# Allegro board pc051c_toplevel_209edited.brd (continued)
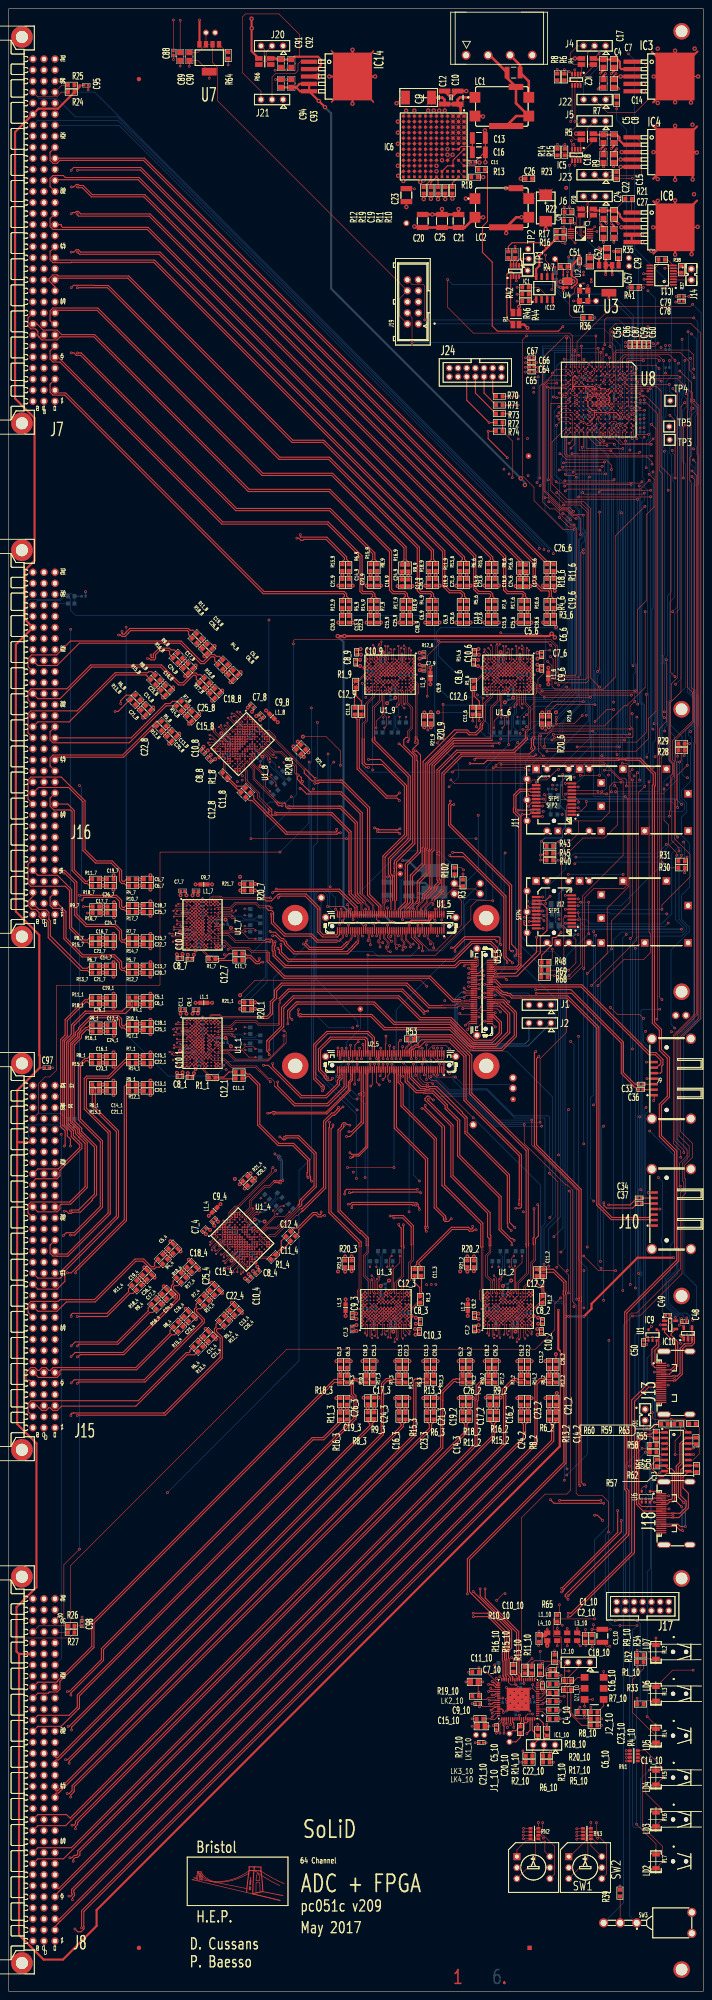
[diagram p0: board, top side]
## Routing (per net, layer and track width the routed paths; a pad name or vN(x,y) marks a point on that pad's centre or on a via; arc(x,y) is an arc through that point) (continued)
EXTERNAL_SCL<3>: length 375.7
  TOP w0.13: v1(142.09,356.7) 142.09,358.44 U8.B16 ; v1(127.14,159.55) 125.8,158.22 125.8,152.22 121.33,147.75 64.05,147.75 14.29,98 14.29,83.19 R27.1 10.82,82.55 J8.C29
  L4 w0.13: v1(142.25,243.2) 144.25,245.2 144.25,279.45 v1(144.05,279.65) ; v1(127.14,159.55) 127.14,160.28 128.1,161.25 v1(141.45,161.25)
  BOTTOM w0.13: v1(142.25,243.2) 141.45,242.4 v1(141.45,161.25) ; v1(144.05,279.65) 142.95,280.75 142.95,288.47 142.09,289.33 v1(142.09,356.7)
EXTERNAL_SDA<0>: length 304.3
  TOP w0.13: J7.A29 6.67,435.93 11.12,435.93 12.19,437 R24.1 ; v1(147.4,358.25) 144.82,358.25 144.58,358.49 144.58,361.87 143.9,362.55 143.6,362.55 U8.A12
  L3 w0.15: v1(146.85,350.58) 146.72,350.58 146.44,350.86 137.45,350.86 136.91,351.41 136.43,351.41 136.39,351.36 133.91,351.36 131.59,349.04 129.79,349.04 129.03,349.8 128,349.8 127.55,349.35 120.55,349.35 119.9,350 116.1,350 v1(115.25,349.15)
  L4 w0.13: 125.59,329.81 124.35,331.05 v1(124.35,331.4)
  L4 w0.15: 125.59,329.81 127.05,328.35 127.05,303.8 127.06,303.79 127.06,303.6 127.12,303.54 127.12,303.48 127.43,303.17 127.48,303.17 127.5,303.15 128.8,303.15 128.99,303.34 128.99,329.39 128.86,329.52 128.86,329.57 128.86,331.29 128.86,331.96 128.86,333.16 128.99,333.29 128.99,334.13 116.94,346.18 116.94,346.46 115.25,348.15 v1(115.25,349.15)
  BOTTOM w0.13: v1(124.35,331.4) 124.35,332 25.05,431.3 15.4,431.3 11.1,435.6 6.99,435.6 J7.A29
  BOTTOM w0.15: v1(146.85,350.58) 146.85,350.71 146.95,350.81 146.95,356.8 147.4,357.25 v1(147.4,358.25)
EXTERNAL_SDA<1>: length 254.7
  TOP w0.13: v1(143.85,360.2) 143.85,360.3 U8.A14 ; v1(125.13,287.93) v1(141.88,287.93)
  L4 w0.13: v1(143.85,360.2) 143.95,360.3 146.56,360.3 146.85,360.01 146.85,360 149.15,357.7 149.15,355.7 150.5,354.35 v1(151.02,354.35) ; v1(141.88,287.93) 150.15,287.93 151.82,289.6 151.82,293.6 v1(151.02,294.4)
  BOTTOM w0.13: v1(151.02,294.4) 151.02,305.47 150.76,305.72 150.76,307.21 151.02,307.47 v1(151.02,354.35) ; v1(125.13,287.93) 115.88,287.93 115.64,287.7 100.34,287.7 98.16,289.88 98.16,314.81 96.35,316.61 15.39,316.61 14.29,317.71 14.29,320.36 R51.1 12.9,321 11.88,319.98 6.67,319.98 J16.A29
EXTERNAL_SDA<2>: length 296.6
  TOP w0.13: v1(144.2,296.8) 143.11,295.71 143.11,291.16 143.8,290.47 143.8,288.7 143.58,288.48 v1(125.69,288.48) ; U8.A16 143.4,357.55 v1(143.65,357.3) ; J15.A29 6.92,202.13 6.92,208.92 8.4,210.4 9.46,210.4 11,211.94 11,231.36 11.13,231.49 34.72,231.49 34.85,231.62 34.85,262 34.98,262.13 v1(62.49,262.13)
  L4 w0.13: v1(69.21,282.87) 73.18,282.87 74.78,284.46 116.46,284.46 120.05,288.06 123.65,288.06 124.07,288.48 v1(125.69,288.48)
  BOTTOM w0.13: v1(69.21,282.87) 69.14,282.8 69.14,268.78 v1(62.49,262.13) ; v1(144.2,296.8) 144.2,298.7 143.85,299.05 143.85,302.93 144.29,303.38 144.29,305.2 143.89,305.61 143.89,357.06 v1(143.65,357.3) ; J15.A29 6.79,202 12.1,202 13.4,200.7 R49.1
EXTERNAL_SDA<3>: length 406.3
  TOP w0.13: 12.71,84.1 6.99,84.1 J8.A29 ; 12.71,84.1 12.71,98.15 v1(16.3,101.74) ; 12.71,84.1 R26.1 ; v1(125.49,289.22) 142.97,289.22 v1(143.05,289.3) ; U8.C16 v1(141.4,357.55)
  L4 w0.13: v1(113.34,288.19) 73.46,288.19 66.57,281.3 63.75,281.3 59.9,277.44 v1(16.3,277.44)
  BOTTOM w0.13: v1(16.3,277.44) 16.8,276.95 16.8,251.99 16.3,251.5 v1(16.3,101.74) ; v1(125.49,289.22) 124.46,288.19 v1(113.34,288.19) ; v1(143.05,289.3) 142.6,289.74 142.6,357.42 142.47,357.55 v1(141.4,357.55)
FPGA_JTAG_VREF: length 11.5
  TOP w0.18: v1(77.75,217.03) U2_5.92
  BOTTOM w0.15: v1(77.75,217.03) 77.75,218.25 81,221.5 LK22.1
FPGA_LED: length 227.9
  TOP w0.13: v1(118.75,199.45) 118.75,195.1 128.32,185.53 128.72,185.53 129.85,184.4 129.85,158.75 130.7,157.9 130.7,114.6 131.25,114.05 136.75,114.05 138.15,112.65 v1(138.15,105.7) ; U2_5.23 94.75,210.15 95.75,209.15 97.35,209.15 v1(97.7,208.8) ; v1(147.55,50.9) 148.98,50.9 LD4.1 ; v1(140.8,84.15) v1(144.75,84.15)
  BOTTOM w0.13: v1(118.75,199.45) 112.55,199.45 105.75,206.25 100.25,206.25 v1(97.7,208.8) ; v1(144.75,84.15) 143.75,83.15 143.75,38.1 144.15,37.7 145.6,37.7 145.6,48.95 v1(147.55,50.9) ; v1(138.15,105.7) 137.4,104.95 137.4,85.85 139.1,84.15 v1(140.8,84.15)
FPGA_POWER_ENABLE: length 343.6
  TOP w0.13: U8.B3 142.97,372.32 v1(144.12,372.32) ; LK3.1 104.31,250.89 104.31,245.37 98.54,239.6 96.8,239.6 93.75,242.66 U1_5.27 ; v1(129.85,372.3) 129.85,380.93 129.23,381.55 107.05,381.55 101.1,387.5 v1(101.1,393.85) ; v1(135.04,292.19) 137.78,294.93 v1(139.33,294.93)
  L4 w0.13: v1(101.1,393.85) 97.9,393.85 63.2,428.55 J21.1 ; v1(108.15,270.59) 117.14,270.59 118.62,272.07 124.87,272.07 v1(128.27,275.46) ; v1(133.85,362.3) 134.85,362.3 135.66,361.49 135.66,358.79 134.56,357.69 134.56,295.72 135.35,294.93 v1(139.33,294.93)
  BOTTOM w0.13: LK3.1 108.15,258.05 v1(108.15,270.59) ; v1(129.85,372.3) 129.85,369.7 130.36,369.19 130.36,365.03 132.65,362.74 133.41,362.74 v1(133.85,362.3) ; v1(144.12,372.32) 143.86,372.58 143.86,382.08 143.8,382.14 143.8,382.56 143.86,382.62 143.86,385.62 138.94,390.54 127.49,390.54 125.28,392.75 102.2,392.75 v1(101.1,393.85) ; v1(135.04,292.19) 135.04,289.65 134.3,288.91 134.3,284.2 132.6,282.5 132.6,279.8 v1(128.27,275.46)
FPGA_TDI: length 211
  TOP w0.13: R63.2 155.7,131.65 v1(152.6,131.65) 152.55,131.6 148.7,131.6 148.25,132.05 v1(148.25,133.15) ; U2_5.96 v1(76.75,216.98)
  L4 w0.13: v1(80.26,205.31) 83.61,201.95 145.35,201.95 v1(146.8,203.4)
  BOTTOM w0.13: v1(76.75,216.98) 77.75,215.99 77.75,213.26 75.25,210.76 75.25,209.42 79.36,205.31 v1(80.26,205.31) ; v1(148.25,133.15) 148.25,136.2 146.2,138.25 146.2,183.59 146.36,183.75 146.36,202.96 v1(146.8,203.4) ; v1(152.6,131.65) 152.6,127.55 150.38,125.33 150.38,119.09 148.2,116.92 148.2,112.75 148.05,112.6 J17.10
FPGA_TDO: length 254.4
  TOP w0.13: v1(76.33,214.62) 76.33,215.72 U2_5.98 ; v1(115.99,348.29) 115.99,356.76 R74.1
  TOP w0.25: R72.1 R74.1
  L3 w0.13: v1(115.99,348.29) 117.17,349.47 119.82,349.47 120.49,348.8 127.55,348.8 128.56,347.79 131.48,347.79 133.03,349.34 136.19,349.34 136.67,349.82 138.04,349.82 138.24,349.62 v1(148.42,349.62)
  L4 w0.13: v1(148.4,281.64) 148.4,226.03 150.1,224.33 150.1,223.32 149.53,222.75 146.65,222.75 141.3,217.4 101.2,217.4 100.23,216.43 78.15,216.43 v1(76.33,214.62)
  BOTTOM w0.13: v1(148.4,281.64) 148.4,287.28 149.04,287.93 149.04,291.35 149.16,291.46 149.16,291.88 148.94,292.09 148.94,349.1 v1(148.42,349.62)
GPIO<0>: length 301.3
  TOP w0.13: U8.E14 138.9,360.25 v1(138.9,359.21)
  L4 w0.13: v1(131.85,368.2) 129.27,370.78 124.58,370.78 ; v1(138.9,359.21) v1(141.9,359.21) ; v1(123.3,331.75) 123.3,331.6 126.77,328.13 126.77,311.94 126.78,311.93 126.78,303.68 126.78,303.67 126.78,303.49
  L4 w0.15: 116.5,367.45 116.5,347.3 117.22,346.58 117.22,346.3 129.27,334.25 129.27,333.17 129.14,333.05 129.14,332.07 129.14,331.29 129.14,329.73 129.14,329.64 129.27,329.51 129.27,303.17 128.9,302.8 127.35,302.8 126.85,303.3 126.85,303.36 126.84,303.37 126.84,303.43 126.78,303.49
  L4 w0.25: 124.58,370.78 123.39,369.59 118.64,369.59 116.5,367.45
  BOTTOM w0.13: v1(141.9,359.21) 140.32,359.21 136.9,362.62 136.9,363.25 136.4,363.75 136.4,365.25 136.4,365.25 136.4,365.46 136.11,365.75 135.12,365.75 ; v1(123.3,331.75) 123.3,332.35 25.2,430.45 6.67,430.45 J7.A26
  BOTTOM w0.15: v1(131.85,368.2) 131.85,365.8 132.4,365.25 134.18,365.25 134.69,365.76 135.11,365.76 135.12,365.75
GPIO<1>: length 214.8
  TOP w0.13: v1(146.55,341.7) 139.7,334.85 139.7,302.35 136.97,299.62 125.81,299.62 125.14,300.29 125.14,304.98 v1(124.17,305.96) ; v1(139.95,360.27) 139.95,361.12 139.82,361.25 138.9,361.25 U8.F14
  L4 w0.13: v1(146.55,341.7) 146.9,342.05 146.9,344.96 146.35,345.5 146.35,356.36 142.96,359.75 140.47,359.75 v1(139.95,360.27) ; v1(113.35,312.6) 113.34,312.59 26.5,312.59 26.31,312.41 25.9,312.41 25.72,312.59 6.9,312.59 J16.A26
  BOTTOM w0.13: v1(124.17,305.96) 123.7,306.42 123.7,311.22 122.57,312.36 113.59,312.36 v1(113.35,312.6)
GPIO<2>: length 310.9
  TOP w0.13: U8.G14 136.9,360.25 v1(136.85,360.25) ; v1(132.46,235.29) 132.65,235.48 132.65,251.64 134.77,253.75 141.7,253.75 142.35,254.4 142.5,254.4 142.6,254.5 142.6,274.35 v1(142.02,274.92)
  L4 w0.13: v1(132.46,195) 11.61,195 10.86,194.25 6.67,194.25 J15.A26
  BOTTOM w0.13: v1(136.85,360.25) 135.97,359.36 135.97,358.28 135.44,357.76 135.44,304.72 136.21,303.96 136.21,303.34 135.6,302.73 135.6,289.84 134.75,288.99 134.75,275.05 134.88,274.92 v1(142.02,274.92) ; v1(132.46,235.29) v1(132.46,195)
GPIO<3>: length 377.9
  TOP w0.13: v1(135.85,362.2) 135.85,361.3 U8.H14 ; v1(126.64,281.14) 126.34,281.14 125.17,279.97 125.17,279.97 124.56,279.36 124.56,279.36 123.95,278.75 120.7,278.75 119.83,277.88 102.72,277.88 v1(101.85,278.75)
  L4 w0.13: J8.A26 6.67,76.16 13.46,76.16 20.95,83.65 20.95,99.15 v1(36.55,114.75) ; v1(101.85,278.75) 99.77,276.66 v1(70.2,276.66)
  BOTTOM w0.13: v1(36.55,114.75) 66.87,145.07 66.87,188.87 69.8,191.8 69.8,276.26 v1(70.2,276.66) ; v1(135.85,362.2) 135.4,361.75 135.4,358.87 134.73,358.2 134.73,297.63 133.79,296.69 133.79,288.29 v1(126.64,281.14)
GPIO<4>: length 303.9
  TOP w0.13: v1(144.1,364.25) 143.3,364.25 142.8,364.75 142.8,366.35 U8.B8
  TOP w0.15: v1(153.5,348.21) 153.5,361.45 v1(152.3,362.65)
  L3 w0.15: v1(119.65,348.75) 120.71,347.69 122.56,347.69 123.33,348.46 124.99,348.46 125.31,348.14 126.76,348.14 127.86,347.04 135.58,347.04 136.9,348.36 153.35,348.36 v1(153.5,348.21)
  L4 w0.13: 123.01,331.24 v1(122.25,332)
  L4 w0.15: v1(144.1,364.25) 145.7,362.65 v1(152.3,362.65) ; 123.01,331.24 126.5,327.75 126.5,315.8 125.35,314.65 125.35,313.35 126.5,312.2 126.5,311.83 126.51,311.82 126.51,311.23 126.5,311.22 126.5,303.37 126.55,303.32 126.55,303.2 127.4,302.35 128.95,302.35 129.55,302.95 129.55,329.62 129.42,329.75 129.42,332.19 129.42,332.93 129.55,333.06 129.55,334.36 117.5,346.41 117.5,346.7 117.2,347 117.2,348.35 117.66,348.81 118.24,348.81 118.3,348.75 v1(119.65,348.75)
  BOTTOM w0.13: J7.C26 25.42,429.38 122.25,332.55 v1(122.25,332)
GPIO<5>: length 218.4
  TOP w0.13: v1(122.4,300.47) 122.4,298.96 122.6,298.76 144.64,298.76 144.84,298.96 144.84,317.95 146.85,319.96 146.85,339.75 148.66,341.56 148.66,347.94 v1(147.51,349.08) ; U8.F15 138,359.35 138,357.41 138.2,357.21 139.68,357.21 140.95,355.94 147.98,355.94 v1(148.01,355.97)
  L4 w0.13: v1(148.01,355.97) 147.51,355.48 v1(147.51,349.08) ; J16.C26 10.95,311 44.55,311 44.8,311.25 45.29,311.25 45.55,311 98.66,311 98.79,311.14 99.21,311.14 99.34,311 120.85,311 122.45,309.4 122.45,300.52 v1(122.4,300.47)
GPIO<6>: length 298.2
  TOP w0.13: v1(126.35,232.4) 126.35,233.3 127.88,234.83 127.88,244.47 127.31,245.04 127.31,260.41 132.27,265.38 137.23,265.38 140.28,268.42 140.28,276.75 v1(139.57,277.46) ; U8.H15 135.99,359.34 135.99,357.16 136.89,356.25 139.2,356.25 v1(139.5,355.95)
  L4 w0.13: v1(126.64,192.45) 125.2,193.9 11.39,193.9 J15.C26
  BOTTOM w0.13: v1(126.35,232.4) 126.35,232 126.64,231.71 v1(126.64,192.45) ; v1(139.57,277.46) 139.57,283.02 140.8,284.25 140.8,285.5 140.17,286.13 140.17,286.54 140.5,286.88 140.5,339.8 140.4,339.9 140.4,340.53 140.65,340.77 140.65,354.66 139.5,355.8 v1(139.5,355.95)
GPIO<7>: length 459
  TOP w0.13: U8.B10 141.95,364.3 v1(140.95,364.3)
  L4 w0.13: v1(157.61,364.26) 157.02,364.85 143.33,364.85 v1(140.95,367.23) ; v1(153.4,221.65) 153.65,221.4 153.65,202 148.85,197.2 v1(12.1,197.2)
  BOTTOM w0.13: v1(140.95,364.3) v1(140.95,367.23) ; v1(153.4,221.65) 152.56,222.49 152.56,239.61 156.75,243.8 156.75,244.9 154.95,246.7 154.95,252.2 156.8,254.05 156.8,264.15 155,265.95 155,270.2 156.2,271.4 156.2,273.45 155,274.65 155,276.35 157.05,278.4 157.05,285.7 157.3,285.95 157.3,288.35 156.55,289.1 156.55,290.15 157.39,290.99 157.39,291.24 157.91,291.76 157.91,297.71 157.39,298.23 157.39,298.41 156.76,299.04 156.76,363.41 v1(157.61,364.26) ; v1(12.1,197.2) 12.1,76.51 J8.C26
GPIO<8>: length 27.3
  TOP w0.15: v1(139.9,358.05) 139.9,359.15 139.4,359.65 U8.E15
  L3 w0.15: LK23.1 139.57,353.27 140.7,354.4 140.7,356.1 139.9,356.9 v1(139.9,358.05)
HDMI_PGOOD: length 310.5
  TOP w0.13: v1(140.9,368.25) U8.C7 ; 156.5,124.78 157.5,124.78 v1(157.73,125.02) ; v1(157.8,385.05) 137.69,385.05 137.3,384.67 v1(137.3,378.86)
  L3 w0.13: v1(137.3,378.86) 139.75,376.41 139.75,369.4 v1(140.9,368.25)
  L4 w0.13: v1(154.75,149.1) 155.02,149.1 155.15,148.97 155.15,130.4 156.15,129.4 156.15,126.6 v1(157.73,125.02)
  BOTTOM w0.13: v1(157.8,385.05) 158.74,384.11 158.74,353.76 158.97,353.53 158.97,346.8 158.74,346.57 158.74,298.34 158.94,298.14 158.94,291.33 158.74,291.13 158.74,223.54 154.15,218.95 154.15,165.1 152,162.95 152,158.4 154.35,156.05 156.2,156.05 156.9,155.35 156.9,149.7 156.3,149.1 v1(154.75,149.1)
HDMI_PGOOD_N: length 30.6
  TOP w0.25: J18.16 153.75,107 154.65,106.1 155.15,106.1 v1(155.25,106) ; R58.1 158.22,127.33 IC13.15 156,127.33 155.26,126.59 155.17,126.59 154.6,126.02 154.6,121.7 153.75,120.85 153.75,113.49 153.8,113.44 153.8,112.7 v1(155,111.5)
  BOTTOM w0.25: v1(155.25,106) 155.1,106.15 155.1,111.4 v1(155,111.5)
HDMI_PGOOD_P: length 29
  TOP w0.25: R58.2 158.15,126.06 IC13.14 155.34,126.06 155.1,125.81 155.1,121.45 154.25,120.6 154.25,113.7 v1(155.45,112.5) ; J18.15 154.15,107.5 154.7,106.95 v1(155.85,106.95)
  BOTTOM w0.25: v1(155.45,112.5) 155.85,112.1 v1(155.85,106.95)
HDMI_TCK_N: length 14.8
  TOP w0.25: J18.6 150.42,112.11 151.74,112.11 152.28,112.65 153.1,112.65 153.35,112.9 153.35,119.57 152.66,120.26 151.82,120.26 IC13.7 149.43,120.97 R56.1
HDMI_TCK_P: length 18.7
  TOP w0.25: J18.4 150.46,113 150.56,112.89 151.82,112.89 152.08,113.15 152.65,113.15 152.85,113.35 152.85,118.95 152.65,119.15 151.5,119.15 150.78,118.43 149.97,118.43 148.08,120.32 148.08,121.13 R56.2 149.41,122.25 IC13.6
HDMI_TDI_N: length 18.7
  TOP w0.25: J18.12 152.71,109 152.77,108.94 153.23,108.94 153.29,109 154.35,109 156.55,111.2 156.55,114.6 155.31,115.83 155.31,118.32 156.5,119.51 156.5,119.7 156.71,119.5 R57.1
HDMI_TDI_P: length 19.5
  TOP w0.25: J18.10 152.71,110 152.77,110.06 153.23,110.06 153.29,110 154.64,110 156.05,111.41 156.05,112.8 154.81,114.03 154.81,120.02 155.77,120.97 IC13.10 156.53,121 R57.2
HDMI_TDO_N: length 3
  TOP w0.25: J18.3 148.64,113.5 U6.3
HDMI_TDO_P: length 2.8
  TOP w0.25: U6.4 149.38,115.04 149.92,114.5 J18.1
HDMI_TMS_N: length 28.3
  TOP w0.25: IC13.1 149.25,128.59 R55.1 148.47,128.7 147.97,128.2 146.18,128.2 144.63,126.65 144.63,126.15 144.58,126.1 144.58,124.4 144.63,124.35 144.63,112.02 146.15,110.5 J18.9
HDMI_TMS_P: length 26.5
  TOP w0.25: J18.7 150.26,111.55 145.81,111.55 145.13,112.22 145.13,124.56 145.08,124.61 145.08,125.89 145.13,125.94 145.13,126.44 146.39,127.7 147.97,127.7 148.47,127.2 R55.2 149.28,127.33 IC13.2
I2C_SCL_FROM_FPGA: length 216.6
  TOP w0.13: U2_5.18 v1(96.25,217.79) ; v1(149.31,223.68) 149.46,223.84 149.46,228.83 149.44,228.85 149.44,291.19 149.46,291.21 149.46,362.94 146.75,365.65 v1(144.3,365.65) 143.5,365.65 U8.A9
  L3 w0.13: TP3.1 150.9,358.35 150.9,360.05 145.95,365 145.25,365 144.6,365.65 v1(144.3,365.65)
  L4 w0.13: v1(96.25,217.79) 141.29,217.79 147.18,223.68 v1(149.31,223.68)
I2C_SDA_FROM_FPGA: length 228.1
  TOP w0.13: v1(155.7,365.55) 154.85,364.7 154.85,298.97 152.4,296.52 152.4,283.34 153.12,282.62 153.12,279.63 152.75,279.26 152.75,264.75 154.4,263.1 v1(154.4,262.4) ; U2_5.16 96.75,216.7 97.64,217.6 100.79,217.6 v1(101.55,216.84) ; v1(145.4,367.61) 145.26,367.75 U8.A7
  L3 w0.13: TP4.1 155.25,366 v1(155.7,365.55)
  L4 w0.13: v1(155.7,365.55) 153.64,367.61 v1(145.4,367.61) ; v1(101.55,216.84) v1(143.68,216.84)
  BOTTOM w0.13: v1(154.4,262.4) 154.4,246.65 156.1,244.95 156.1,243.9 155,242.8 145.05,242.8 143.68,241.43 v1(143.68,216.84)
I2C_SDA_TO_FPGA: length 181.7
  TOP w0.13: v1(151.05,293.05) 150.52,293.58 150.52,349.28 149.82,349.98 149.82,364.03 146.75,367.1 v1(146.1,367.1) 145.55,367.1 145.2,366.75 U8.A8 ; U1_5.88 v1(78.75,248.98)
  L3 w0.13: TP5.1 151.45,360.75 151.45,363.55 147.9,367.1 v1(146.1,367.1)
  L4 w0.13: v1(78.75,248.98) 101.06,271.29 114.31,271.29 119.53,276.51 121.71,276.51 124.56,279.36 124.56,279.36 125.17,279.97 126.22,279.97 138.42,292.17 150.17,292.17 v1(151.05,293.05)
IP_ADDRESS_SELECT<0>: length 251.1
  TOP w0.13: U2_5.14 v1(97.25,214.15) ; v1(134.1,38.85) RN3.8 133.46,37.5 132.94,36.99 132.94,34.72 129.22,31 SW2.1
  L4 w0.13: v1(134.1,38.85) 129.85,43.1 106.3,43.1 99.85,49.55 99.85,91.45 v1(128.6,120.2)
  BOTTOM w0.13: v1(128.6,120.2) 128.45,120.35 128.45,157.95 127.7,158.7 125.82,158.7 122.82,161.7 122.82,175.9 123.52,176.6 123.52,200.9 123.47,200.95 116.55,200.95 110.1,207.4 101.51,207.4 97.25,211.66 v1(97.25,214.15)
IP_ADDRESS_SELECT<1>: length 339
  TOP w0.13: SW2.2 137.75,27.05 137.75,33.8 134.9,36.65 134.15,36.65 RN3.7 135.05,36.7 135.35,37 v1(135.35,38.8)
  TOP w0.18: v1(73.45,249.6) 77.1,249.6 77.75,248.95 U1_5.92
  L4 w0.13: v1(80.3,222.1) 102.4,222.1 105.6,218.9 122.2,218.9 123.05,219.75 v1(131.25,219.75) ; v1(135.35,38.8) 130.55,43.6 106.8,43.6 100.4,50 100.4,91.25 127.95,118.8 v1(128.55,118.8)
  BOTTOM w0.13: v1(80.3,222.1) 80.3,223.35 70.8,232.85 70.8,252.45 71.4,253.05 72.55,253.05 73.45,252.15 v1(73.45,249.6) ; v1(131.25,219.75) 131.25,168.3 133.25,166.3 133.25,123.5 v1(128.55,118.8)
IP_ADDRESS_SELECT<2>: length 246.4
  TOP w0.13: v1(107,201) 98.42,209.58 97.35,209.58 96.75,210.18 U2_5.15 ; v1(135.65,35.2) 134.95,35.9 RN3.6 133.54,35.9 133.41,35.77 133.41,30.33 SW2.4
  L4 w0.13: v1(128,117.6) 127.55,117.6 101.05,91.1 101.05,50 106.7,44.35 131.35,44.35 136.3,39.4 136.3,35.85 v1(135.65,35.2)
  BOTTOM w0.13: v1(107,201) 122.45,185.55 122.45,161.7 125.8,158.35 127.4,158.35 128,157.75 v1(128,117.6)
IP_ADDRESS_SELECT<3>: length 266.5
  TOP w0.13: SW2.8 134.1,33.52 RN3.5 134.45,35.1 v1(135.4,34.15) ; U2_5.25 94.25,209.9 95.55,208.6 v1(96.45,208.6)
  L4 w0.13: v1(135.4,34.15) 136.95,35.7 136.95,39.8 131.7,45.05 107.15,45.05 101.56,50.64 101.56,90.81 127.35,116.6 128.1,116.6 137.03,125.53 v1(137.03,159) ; v1(122.75,199.07) v1(137.03,199.07)
  BOTTOM w0.13: v1(96.45,208.6) 99.15,205.9 105.45,205.9 112.4,198.95 122.63,198.95 v1(122.75,199.07) ; v1(137.03,199.07) 136.6,198.65 136.6,181.24 137.03,180.82 v1(137.03,159)
IP_ADDRESS_SELECT<4>: length 244.4
  TOP w0.13: v1(98.6,214.1) 97.75,214.95 U2_5.12 ; v1(128.9,160.7) 128.9,164.9 126.5,167.3 126.5,186.3 v1(124.55,188.25) ; v1(122,38.85) RN2.8 121.6,37.5 121.1,37 121.1,34.97 120.73,34.61 119.11,34.61 117.05,32.55 SW1.1
  L4 w0.13: v1(128.9,160.7) 128.45,160.25 128.45,122.95 96.55,91.05 96.55,48.15 105.85,38.85 v1(122,38.85)
  BOTTOM w0.13: v1(98.6,214.1) 101.85,214.1 101.86,214.09 101.91,214.09 102.49,213.51 102.49,212.69 102.35,212.55 102.35,209.75 104.44,207.66 110.21,207.66 116.42,201.45 124.27,201.45 124.55,201.17 v1(124.55,188.25)
IP_ADDRESS_SELECT<5>: length 331.4
  TOP w0.13: v1(123,38.8) 123,37.1 122.6,36.7 ; SW1.2 125.7,26.95 125.7,33.41 123.36,35.75 123.18,35.75 122.6,36.32 122.6,36.7 ; 122.6,36.7 RN2.7
  TOP w0.18: U1_5.94 77.25,246.65 v1(76.9,246.3)
  L4 w0.13: v1(79.25,221.7) 80.4,220.55 102.65,220.55 104.65,218.55 v1(129.45,218.55) ; v1(130.2,157.55) 130.2,124.1 97.6,91.5 97.6,48.55 106,40.15 121.65,40.15 v1(123,38.8)
  BOTTOM w0.13: v1(130.2,157.55) 130.2,217.8 v1(129.45,218.55) ; v1(76.9,246.3) 73.95,249.25 73.95,252.55 72.87,253.63 71.48,253.63 70.5,252.65 70.5,224.94 73.74,221.7 v1(79.25,221.7)
IP_ADDRESS_SELECT<6>: length 246
  TOP w0.13: v1(130.85,159.25) 130.85,184.38 120.5,194.73 v1(120.5,200.45) ; v1(123.15,35.25) 122.5,35.9 RN2.6 121.78,35.9 121.36,35.48 121.36,30.23 SW1.4 ; U2_5.13 v1(97.25,210.45)
  L4 w0.13: v1(130.85,159.25) 130.85,123.9 98.3,91.35 98.3,48.85 106,41.15 122.05,41.15 124.05,39.15 124.05,36.15 v1(123.15,35.25)
  BOTTOM w0.13: v1(97.25,210.45) 97.8,210.45 101.3,206.95 106.37,206.95 112.85,200.47 120.48,200.47 v1(120.5,200.45)
IP_ADDRESS_SELECT<7>: length 256.9
  TOP w0.13: U2_5.27 v1(93.75,210.75) ; RN2.5 122.75,34.35 v1(123.5,34.35) 123.5,32.17 SW1.8
  L4 w0.13: v1(123.5,34.35) 124.8,35.65 124.8,39.35 121.95,42.2 106.15,42.2 99,49.35 99,91.15 128.1,120.25 128.1,120.41 131.8,124.1 131.8,156.55 v1(132.5,157.25) ; v1(93.75,210.75) 93.75,203.6 94.95,202.4 128.45,202.4 v1(128.95,202.9) ; v1(128.65,165.85) v1(132.5,165.85)
  BOTTOM w0.13: v1(128.65,165.85) 128.65,202.6 v1(128.95,202.9) ; v1(132.5,165.85) v1(132.5,157.25)
JTAGEN: length 176.2
  TOP w0.13: v1(104.75,258.05) 104.25,258.55 R102.2 ; v1(154.1,265.6) 153.6,266.1 153.6,273.99 153.85,274.23 153.85,282.9 153.55,283.2 153.55,287.9 157.76,292.11 157.76,299.01 157.66,299.11 157.66,299.59 157.2,300.05 157.2,347.35 156.9,347.65 156.9,352.96 157.2,353.25 157.2,363.96 157.11,364.05 157.11,364.46 157.2,364.55 157.2,365.58 157.04,365.74 157.04,366.36 157.2,366.52 157.2,367.85 153.9,371.15 142.8,371.15 U8.B4
  L4 w0.13: v1(130.65,260.98) 122.73,260.98 122.71,260.95 122.29,260.95 122.27,260.98 107.68,260.98 v1(104.75,258.05)
  BOTTOM w0.13: v1(154.1,265.6) 149.48,260.98 v1(130.65,260.98)
MGT_CLK_N: length 38.5
  TOP w0.18: U3_5.32 105.1,229.7 v1(104.9,229.9)
  BOTTOM w0.25: J2.1 119.6,217.5 105.8,217.5 102.8,220.5 102.8,228.45 104.25,229.9 v1(104.9,229.9)
MGT_CLK_P: length 33.6
  TOP w0.18: v1(104.9,228.7) 105.4,229.2 U3_5.34
  BOTTOM w0.25: v1(104.9,228.7) 103.76,228.7 103.3,228.24 103.3,220.8 106.1,218 118.9,218 119.82,218.92 J2.3
MGT_RX_N<0>: length 52.3
  TOP w0.25: J11.12 120.25,276.73 120.14,276.61 117.66,276.61 116.35,275.3 116.35,272.32 116.26,272.23 116.26,271.35 117.5,270.11 117.5,238.54 117.51,238.53 117.51,238.07 117.5,238.06 117.5,236.27 116.94,235.71 111.66,235.71 111.59,235.63 111.15,235.63 111.09,235.7 U3_5.7
MGT_RX_N<1>: length 30.9
  TOP w0.25: v1(124.7,252) 123.68,250.98 J12.12 ; v1(121.6,242.55) 121.6,239.13 116.7,234.23 112.67,234.23 112.53,234.09 111.92,234.09 111.91,234.1 111.86,234.1 111.76,234.2 U3_5.13
  L3 w0.25: v1(121.6,242.55) 122.05,242.55 124.7,245.2 v1(124.7,252)
MGT_RX_N<2>: length 52.3
  TOP w0.25: U3_5.19 110.89,232.74 112.26,232.74 113.4,231.6 132.05,231.6 147.65,216 149.13,216 150.7,214.42 150.7,213.2 150.42,212.91 150.42,211.56 150.13,211.27 J9.5
MGT_RX_N<3>: length 84
  TOP w0.25: J10.3 148.07,178.73 147.4,178.05 139,178.05 135.95,181.11 135.95,221.86 128.76,229.05 116.06,229.05 115.53,229.58 115.02,229.58 114.74,229.86 113.94,229.86 113.63,230.17 113.52,230.17 112.58,231.11 111.88,231.11 111.79,231.2 U3_5.25
MGT_RX_P<0>: length 52.3
  TOP w0.25: U3_5.9 110.88,235.2 110.95,235.13 111.8,235.13 111.87,235.21 117.15,235.21 118,236.06 118,237.86 118.01,237.86 118.01,238.74 118,238.74 118,270.31 116.76,271.56 116.76,272.02 116.85,272.11 116.85,275.09 117.87,276.11 120.07,276.11 120.25,275.93 J11.13
MGT_RX_P<1>: length 27.6
  TOP w0.25: U3_5.15 111.56,233.7 111.65,233.6 111.71,233.6 111.71,233.59 117.09,233.59 122.45,238.95 122.45,242.6 124,244.15 124,249.15 122.97,250.18 J12.13
MGT_RX_P<2>: length 49.9
  TOP w0.25: U3_5.21 110.64,232.2 111.06,232.2 111.1,232.24 112.05,232.24 113.19,231.1 131.84,231.1 147.44,215.5 148.92,215.5 150.2,214.22 150.2,213.4 149.92,213.12 149.82,213.12 149.24,212.54 J9.6
MGT_RX_P<3>: length 83.8
  TOP w0.25: U3_5.27 111.58,230.7 111.68,230.61 112.38,230.61 113.31,229.67 113.42,229.67 113.74,229.36 114.53,229.36 114.81,229.08 115.32,229.08 115.85,228.55 128.55,228.55 135.45,221.65 135.45,180.9 138.8,177.55 148.38,177.55 148.47,177.46 J10.2
MGT_TX_N<0>: length 51
  TOP w0.18: v1(107.41,237.92) 107.41,237.75 107.59,237.57 107.99,237.57 108.12,237.44 108.12,235.96 107.99,235.83 107.28,235.83 U3_5.8
  TOP w0.25: J11.19 120.25,271.13 119.92,270.8 v1(118.3,270.8)
  L3 w0.25: v1(107.41,237.92) 107.16,238.17 107.16,238.44 105.45,240.16 105.45,246.02 105.49,246.06 105.49,248.14 105.45,248.18 105.45,249.74 107.1,251.39 107.1,267.54 110.79,271.23 117.08,271.23 117.08,271.23 117.54,271.23 117.55,271.23 117.87,271.23 v1(118.3,270.8)
MGT_TX_N<1>: length 24.2
  TOP w0.25: v1(109.25,234.9) 108.9,234.9 108.2,234.2 U3_5.14 ; v1(118.75,246.2) 118.7,246.15 118.7,245.5 118.95,245.25 121.37,245.25 J12.19
  L3 w0.25: v1(118.75,246.2) 118.45,246.5 115.1,246.5 111.96,243.36 111.81,243.36 110.85,242.39 110.85,238.94 110.9,238.89 110.9,238.01 108.95,236.06 108.95,235.28 109.25,234.98 v1(109.25,234.9)
MGT_TX_N<2>: length 52.2
  TOP w0.18: v1(109.1,232.85) 108.55,232.85 108.4,232.7 U3_5.20
  TOP w0.25: C33.2 144.26,208.75 141.6,211.41 141.6,218.4 129.5,230.5 v1(121.4,230.5)
  L3 w0.13: 113.88,231.4 113.86,231.4 113.8,231.34 113.61,231.34 112.1,232.85 v1(109.1,232.85)
  L3 w0.25: 113.88,231.4 119.85,231.4 120.75,230.5 v1(121.4,230.5)
MGT_TX_N<3>: length 84.6
  TOP w0.18: U3_5.26 v1(105.92,231.2)
  TOP w0.25: C37.2 143.72,180.22 137.73,180.22 137.1,180.85 v1(137.1,181.45)
  L3 w0.13: 114.27,230.07 113.47,230.07 112.35,231.2 v1(105.92,231.2)
  L3 w0.25: v1(137.1,181.45) 136.93,181.28 133.12,181.28 130.7,183.7 130.7,219.51 130.69,219.52 130.69,219.98 130.7,219.99 130.7,222.01 127.71,225 119.35,225 114.27,230.07
MGT_TX_P<0>: length 52.5
  TOP w0.18: U3_5.10 106.16,235.2 v1(105.93,235.43)
  TOP w0.25: v1(117.31,271.79) 120.11,271.79 120.25,271.93 J11.18
  L3 w0.25: v1(117.31,271.79) 117.26,271.73 110.58,271.73 106.6,267.75 106.6,251.6 104.95,249.95 104.95,247.97 104.99,247.93 104.99,246.27 104.95,246.23 104.95,239.95 106.66,238.24 106.66,235.51 106.54,235.33 106.09,235.33 v1(105.93,235.43)